# KiCad board TX75v2 PCB replacement.kicad_pcb (continued)
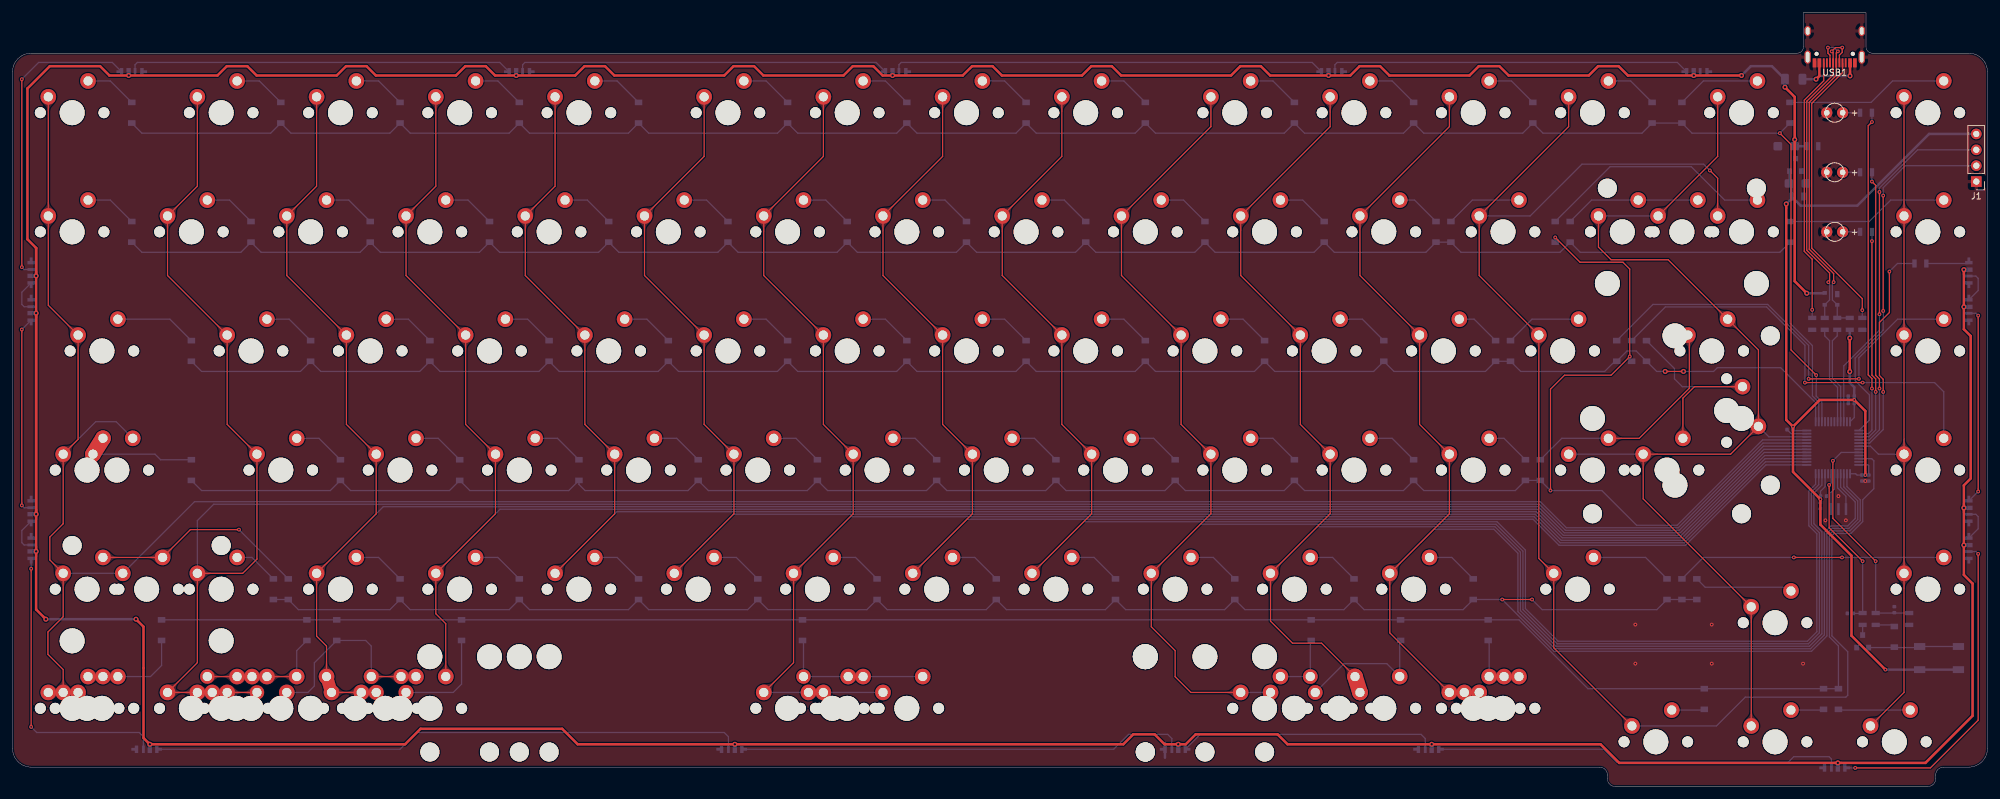
[diagram p0: board, top side]
## Copper pours and planes (outline as drawn; the poured copper is in the pictures) (continued)
C9 on Bottom: 198.71,15.14 198.6,15.14 198.5,15.15 198.41,15.16 198.32,15.17 198.24,15.19 198.17,15.21 198.09,15.23 198.03,15.25 197.97,15.28 197.91,15.31 197.85,15.34 197.8,15.38 197.75,15.42 197.7,15.45 197.31,15.8 197.25,15.85 197.2,15.9 197.13,15.94 197.07,15.99 197,16.03 196.92,16.08 196.85,16.12 196.76,16.17 195.59,15.04 196.76,13.92 196.85,13.96 196.92,14 197,14.05 197.07,14.09 197.13,14.14 197.2,14.19 197.25,14.23 197.31,14.28 197.7,14.63 197.75,14.67 197.8,14.7 197.85,14.74 197.91,14.77 197.97,14.8 198.03,14.83 198.09,14.85 198.17,14.88 198.24,14.9 198.32,14.91 198.41,14.92 198.5,14.93 198.6,14.94 198.71,14.94
C9 on Bottom: 198.58,14.94 198.68,14.94 198.77,14.93 198.86,14.92 198.95,14.91 199.02,14.89 199.09,14.87 199.16,14.85 199.23,14.83 199.28,14.8 199.34,14.77 199.39,14.73 199.44,14.7 199.49,14.66 199.54,14.62 199.91,14.27 199.96,14.23 200.02,14.18 200.07,14.14 200.14,14.09 200.2,14.05 200.27,14 200.35,13.96 200.43,13.92 201.6,15.04 200.43,16.17 200.35,16.12 200.27,16.08 200.2,16.04 200.14,15.99 200.07,15.95 200.02,15.9 199.96,15.86 199.91,15.81 199.54,15.46 199.49,15.42 199.44,15.38 199.39,15.35 199.34,15.32 199.28,15.29 199.23,15.26 199.16,15.23 199.09,15.21 199.02,15.19 198.95,15.17 198.86,15.16 198.77,15.15 198.68,15.14 198.58,15.14
C10 on Top: 201.08,31.6 201.08,31.71 201.09,31.81 201.09,31.9 201.11,31.99 201.12,32.07 201.14,32.14 201.17,32.21 201.19,32.28 201.22,32.34 201.25,32.4 201.28,32.45 201.32,32.51 201.35,32.56 201.39,32.61 201.74,33 201.79,33.05 201.83,33.11 201.88,33.17 201.92,33.24 201.97,33.31 202.02,33.38 202.06,33.46 202.1,33.55 200.98,34.72 199.85,33.55 199.9,33.46 199.94,33.38 199.98,33.31 200.03,33.24 200.08,33.17 200.12,33.11 200.17,33.05 200.22,33 200.56,32.61 200.6,32.56 200.64,32.51 200.67,32.45 200.71,32.4 200.74,32.34 200.76,32.28 200.79,32.21 200.81,32.14 200.83,32.07 200.85,31.99 200.86,31.9 200.87,31.81 200.88,31.71 200.88,31.6
C10 on Top: 212.64,19.27 212.71,19.2 212.78,19.12 212.84,19.05 212.89,18.98 212.94,18.91 212.98,18.84 213.01,18.78 213.04,18.71 213.06,18.65 213.08,18.59 213.1,18.53 213.11,18.46 213.12,18.4 213.13,18.34 213.16,17.82 213.17,17.74 213.17,17.67 213.18,17.59 213.2,17.52 213.22,17.43 213.24,17.35 213.26,17.26 213.29,17.17 214.91,17.14 214.88,18.76 214.79,18.79 214.7,18.82 214.62,18.84 214.54,18.85 214.46,18.87 214.38,18.88 214.31,18.89 214.24,18.89 213.71,18.92 213.65,18.93 213.59,18.94 213.53,18.95 213.47,18.97 213.4,18.99 213.34,19.01 213.27,19.04 213.21,19.08 213.14,19.12 213.07,19.16 213,19.21 212.93,19.27 212.86,19.34 212.78,19.41
C10 on Top: 210.6,50.65 210.6,50.76 210.61,50.86 210.62,50.95 210.63,51.04 210.65,51.12 210.67,51.19 210.69,51.26 210.72,51.33 210.74,51.39 210.77,51.45 210.81,51.5 210.84,51.56 210.88,51.61 210.92,51.66 211.26,52.05 211.31,52.1 211.36,52.16 211.4,52.22 211.45,52.29 211.5,52.36 211.54,52.43 211.58,52.51 211.63,52.6 210.5,53.77 209.38,52.6 209.42,52.51 209.46,52.43 209.51,52.36 209.56,52.29 209.6,52.22 209.65,52.16 209.69,52.1 209.74,52.05 210.09,51.66 210.13,51.61 210.16,51.56 210.2,51.5 210.23,51.45 210.26,51.39 210.29,51.33 210.31,51.26 210.34,51.19 210.36,51.12 210.37,51.04 210.39,50.95 210.39,50.86 210.4,50.76 210.4,50.65
C10 on Top: 202.67,35.92 202.59,35.85 202.52,35.78 202.44,35.72 202.37,35.67 202.31,35.63 202.24,35.59 202.17,35.55 202.11,35.52 202.05,35.5 201.98,35.48 201.92,35.46 201.86,35.45 201.8,35.44 201.74,35.43 201.21,35.4 201.14,35.4 201.07,35.39 200.99,35.38 200.91,35.36 200.83,35.35 200.75,35.33 200.66,35.3 200.57,35.27 200.54,33.65 202.16,33.68 202.19,33.77 202.21,33.86 202.23,33.94 202.25,34.03 202.26,34.1 202.27,34.18 202.28,34.25 202.29,34.33 202.32,34.85 202.33,34.91 202.34,34.97 202.35,35.04 202.37,35.1 202.39,35.16 202.41,35.22 202.44,35.29 202.47,35.35 202.51,35.42 202.56,35.49 202.61,35.56 202.67,35.63 202.74,35.71 202.81,35.78
C10 on Top: 205.84,69.7 205.84,69.81 205.85,69.91 205.86,70 205.87,70.09 205.89,70.17 205.91,70.24 205.93,70.31 205.95,70.38 205.98,70.44 206.01,70.5 206.04,70.55 206.08,70.61 206.11,70.66 206.15,70.71 206.5,71.1 206.55,71.15 206.59,71.21 206.64,71.27 206.69,71.34 206.73,71.41 206.78,71.48 206.82,71.56 206.87,71.65 205.74,72.82 204.62,71.65 204.66,71.56 204.7,71.48 204.75,71.41 204.79,71.34 204.84,71.27 204.89,71.21 204.93,71.15 204.98,71.1 205.33,70.71 205.37,70.66 205.4,70.61 205.44,70.55 205.47,70.5 205.5,70.44 205.53,70.38 205.55,70.31 205.57,70.24 205.59,70.17 205.61,70.09 205.62,70 205.63,69.91 205.64,69.81 205.64,69.7
C10 on Top: 208.67,54.83 208.74,54.76 208.81,54.68 208.87,54.61 208.92,54.54 208.97,54.47 209.01,54.4 209.04,54.34 209.07,54.27 209.09,54.21 209.11,54.15 209.13,54.09 209.14,54.02 209.15,53.96 209.16,53.9 209.19,53.38 209.2,53.3 209.21,53.23 209.22,53.15 209.23,53.08 209.25,52.99 209.27,52.91 209.29,52.82 209.32,52.73 210.94,52.7 210.91,54.32 210.82,54.35 210.73,54.38 210.65,54.4 210.57,54.41 210.49,54.43 210.41,54.44 210.34,54.45 210.27,54.45 209.74,54.48 209.68,54.49 209.62,54.5 209.56,54.51 209.5,54.53 209.43,54.55 209.37,54.57 209.31,54.6 209.24,54.64 209.17,54.68 209.11,54.72 209.04,54.77 208.96,54.83 208.89,54.9 208.81,54.97
C10 on Top: 196.31,88.75 196.32,88.86 196.32,88.96 196.33,89.05 196.35,89.14 196.36,89.22 196.38,89.29 196.4,89.36 196.43,89.43 196.46,89.49 196.49,89.55 196.52,89.6 196.55,89.66 196.59,89.71 196.63,89.76 196.98,90.15 197.02,90.2 197.07,90.26 197.12,90.32 197.16,90.39 197.21,90.46 197.25,90.53 197.3,90.61 197.34,90.7 196.22,91.87 195.09,90.7 195.13,90.61 195.18,90.53 195.22,90.46 195.27,90.39 195.31,90.32 195.36,90.26 195.41,90.2 195.45,90.15 195.8,89.76 195.84,89.71 195.88,89.66 195.91,89.6 195.94,89.55 195.97,89.49 196,89.43 196.03,89.36 196.05,89.29 196.07,89.22 196.08,89.14 196.1,89.05 196.11,88.96 196.11,88.86 196.12,88.75
C10 on Top: 203.91,73.88 203.98,73.81 204.05,73.73 204.11,73.66 204.16,73.59 204.2,73.52 204.24,73.45 204.28,73.39 204.31,73.32 204.33,73.26 204.35,73.2 204.37,73.14 204.38,73.07 204.39,73.01 204.4,72.95 204.43,72.43 204.43,72.35 204.44,72.28 204.45,72.2 204.47,72.13 204.48,72.04 204.5,71.96 204.53,71.87 204.56,71.78 206.18,71.75 206.15,73.37 206.06,73.4 205.97,73.43 205.89,73.45 205.81,73.46 205.73,73.48 205.65,73.49 205.58,73.5 205.51,73.5 204.98,73.53 204.92,73.54 204.86,73.55 204.8,73.56 204.73,73.58 204.67,73.6 204.61,73.62 204.54,73.65 204.48,73.69 204.41,73.73 204.34,73.77 204.27,73.82 204.2,73.88 204.13,73.95 204.05,74.02
C10 on Top: 197.9,93.07 197.83,93 197.75,92.93 197.68,92.87 197.61,92.82 197.54,92.78 197.48,92.74 197.41,92.7 197.35,92.67 197.28,92.65 197.22,92.63 197.16,92.61 197.1,92.6 197.03,92.59 196.97,92.58 196.45,92.55 196.38,92.55 196.3,92.54 196.23,92.53 196.15,92.51 196.07,92.5 195.98,92.48 195.9,92.45 195.8,92.42 195.77,90.8 197.4,90.83 197.43,90.92 197.45,91.01 197.47,91.09 197.49,91.18 197.5,91.25 197.51,91.33 197.52,91.4 197.53,91.48 197.56,92 197.56,92.06 197.57,92.12 197.59,92.19 197.6,92.25 197.62,92.31 197.65,92.37 197.68,92.44 197.71,92.5 197.75,92.57 197.8,92.64 197.85,92.71 197.91,92.78 197.97,92.86 198.05,92.93
C10 on Top: 210.6,107.8 210.6,107.91 210.61,108.01 210.62,108.1 210.63,108.19 210.65,108.27 210.67,108.34 210.69,108.41 210.72,108.48 210.74,108.54 210.77,108.6 210.81,108.65 210.84,108.71 210.88,108.76 210.92,108.81 211.26,109.2 211.31,109.25 211.36,109.31 211.4,109.37 211.45,109.44 211.5,109.51 211.54,109.58 211.58,109.66 211.63,109.75 210.5,110.92 209.38,109.75 209.42,109.66 209.46,109.58 209.51,109.51 209.56,109.44 209.6,109.37 209.65,109.31 209.69,109.25 209.74,109.2 210.09,108.81 210.13,108.76 210.16,108.71 210.2,108.65 210.23,108.6 210.26,108.54 210.29,108.48 210.31,108.41 210.34,108.34 210.36,108.27 210.37,108.19 210.39,108.1 210.39,108.01 210.4,107.91 210.4,107.8
C10 on Bottom: 202.67,35.92 202.59,35.85 202.52,35.78 202.44,35.72 202.37,35.67 202.31,35.63 202.24,35.59 202.17,35.55 202.11,35.52 202.05,35.5 201.98,35.48 201.92,35.46 201.86,35.45 201.8,35.44 201.74,35.43 201.21,35.4 201.14,35.4 201.07,35.39 200.99,35.38 200.91,35.36 200.83,35.35 200.75,35.33 200.66,35.3 200.57,35.27 200.54,33.65 202.16,33.68 202.19,33.77 202.21,33.86 202.23,33.94 202.25,34.03 202.26,34.1 202.27,34.18 202.28,34.25 202.29,34.33 202.32,34.85 202.33,34.91 202.34,34.97 202.35,35.04 202.37,35.1 202.39,35.16 202.41,35.22 202.44,35.29 202.47,35.35 202.51,35.42 202.56,35.49 202.61,35.56 202.67,35.63 202.74,35.71 202.81,35.78
C11 on Top: 231.83,14.84 231.93,14.84 232.03,14.84 232.12,14.83 232.2,14.82 232.28,14.8 232.36,14.79 232.43,14.77 232.5,14.74 232.56,14.72 232.62,14.69 232.67,14.67 232.73,14.64 232.78,14.6 232.83,14.57 233.34,14.17 233.4,14.13 233.47,14.09 233.54,14.04 233.61,14 233.69,13.96 233.77,13.92 234.94,15.04 233.77,16.17 233.69,16.13 233.61,16.08 233.54,16.04 233.47,16 233.4,15.95 233.34,15.91 232.83,15.51 232.78,15.48 232.73,15.45 232.67,15.42 232.62,15.39 232.56,15.36 232.5,15.34 232.43,15.32 232.36,15.3 232.28,15.28 232.2,15.27 232.12,15.26 232.03,15.25 231.93,15.24 231.83,15.24
C11 on Top: 232.04,15.24 231.94,15.24 231.84,15.25 231.75,15.26 231.66,15.27 231.58,15.28 231.51,15.3 231.44,15.32 231.37,15.34 231.31,15.36 231.25,15.39 231.19,15.42 231.14,15.45 231.09,15.48 231.04,15.51 230.52,15.91 230.46,15.95 230.4,16 230.33,16.04 230.26,16.08 230.18,16.13 230.1,16.17 228.93,15.04 230.1,13.92 230.18,13.96 230.26,14 230.33,14.04 230.4,14.09 230.46,14.13 230.52,14.17 231.04,14.57 231.09,14.6 231.14,14.64 231.19,14.67 231.25,14.69 231.31,14.72 231.37,14.74 231.44,14.77 231.51,14.79 231.58,14.8 231.66,14.82 231.75,14.83 231.84,14.84 231.94,14.84 232.04,14.84
C11 on Top: 220.13,31.6 220.13,31.71 220.14,31.81 220.14,31.9 220.16,31.99 220.17,32.07 220.19,32.14 220.22,32.21 220.24,32.28 220.27,32.34 220.3,32.4 220.33,32.45 220.37,32.51 220.4,32.56 220.44,32.61 220.79,33 220.84,33.05 220.88,33.11 220.93,33.17 220.97,33.24 221.02,33.31 221.07,33.38 221.11,33.46 221.15,33.55 220.03,34.72 218.9,33.55 218.95,33.46 218.99,33.38 219.03,33.31 219.08,33.24 219.13,33.17 219.17,33.11 219.22,33.05 219.27,33 219.61,32.61 219.65,32.56 219.69,32.51 219.72,32.45 219.76,32.4 219.79,32.34 219.81,32.28 219.84,32.21 219.86,32.14 219.88,32.07 219.9,31.99 219.91,31.9 219.92,31.81 219.93,31.71 219.93,31.6
C11 on Top: 227.72,16.73 227.79,16.66 227.86,16.58 227.92,16.51 227.97,16.44 228.02,16.37 228.06,16.3 228.09,16.24 228.12,16.17 228.14,16.11 228.16,16.05 228.18,15.99 228.19,15.92 228.2,15.86 228.21,15.8 228.24,15.28 228.25,15.2 228.26,15.13 228.27,15.05 228.28,14.98 228.3,14.89 228.32,14.81 228.34,14.72 228.37,14.63 229.99,14.6 229.96,16.22 229.87,16.25 229.78,16.28 229.7,16.3 229.62,16.31 229.54,16.33 229.46,16.34 229.39,16.35 229.32,16.35 228.79,16.38 228.73,16.39 228.67,16.4 228.61,16.41 228.55,16.43 228.48,16.45 228.42,16.47 228.36,16.5 228.29,16.54 228.22,16.58 228.16,16.62 228.09,16.67 228.01,16.73 227.94,16.8 227.86,16.87
C11 on Top: 229.65,50.65 229.65,50.76 229.66,50.86 229.67,50.95 229.68,51.04 229.7,51.12 229.72,51.19 229.74,51.26 229.77,51.33 229.79,51.39 229.82,51.45 229.86,51.5 229.89,51.56 229.93,51.61 229.97,51.66 230.31,52.05 230.36,52.1 230.41,52.16 230.45,52.22 230.5,52.29 230.55,52.36 230.59,52.43 230.63,52.51 230.68,52.6 229.55,53.77 228.43,52.6 228.47,52.51 228.51,52.43 228.56,52.36 228.61,52.29 228.65,52.22 228.7,52.16 228.74,52.1 228.79,52.05 229.14,51.66 229.18,51.61 229.21,51.56 229.25,51.5 229.28,51.45 229.31,51.39 229.34,51.33 229.36,51.26 229.39,51.19 229.41,51.12 229.42,51.04 229.44,50.95 229.44,50.86 229.45,50.76 229.45,50.65
C11 on Top: 221.72,35.92 221.64,35.85 221.57,35.78 221.49,35.72 221.42,35.67 221.36,35.63 221.29,35.59 221.22,35.55 221.16,35.52 221.1,35.5 221.03,35.48 220.97,35.46 220.91,35.45 220.85,35.44 220.79,35.43 220.26,35.4 220.19,35.4 220.12,35.39 220.04,35.38 219.96,35.36 219.88,35.35 219.8,35.33 219.71,35.3 219.62,35.27 219.59,33.65 221.21,33.68 221.24,33.77 221.26,33.86 221.28,33.94 221.3,34.03 221.31,34.1 221.32,34.18 221.33,34.25 221.34,34.33 221.37,34.85 221.38,34.91 221.39,34.97 221.4,35.04 221.42,35.1 221.44,35.16 221.46,35.22 221.49,35.29 221.52,35.35 221.56,35.42 221.61,35.49 221.66,35.56 221.72,35.63 221.79,35.71 221.86,35.78
C11 on Top: 224.89,69.7 224.89,69.81 224.9,69.91 224.91,70 224.92,70.09 224.94,70.17 224.96,70.24 224.98,70.31 225,70.38 225.03,70.44 225.06,70.5 225.09,70.55 225.13,70.61 225.16,70.66 225.2,70.71 225.55,71.1 225.6,71.15 225.64,71.21 225.69,71.27 225.74,71.34 225.78,71.41 225.83,71.48 225.87,71.56 225.91,71.65 224.79,72.82 223.66,71.65 223.71,71.56 223.75,71.48 223.8,71.41 223.84,71.34 223.89,71.27 223.94,71.21 223.98,71.15 224.03,71.1 224.38,70.71 224.42,70.66 224.45,70.61 224.49,70.55 224.52,70.5 224.55,70.44 224.58,70.38 224.6,70.31 224.62,70.24 224.64,70.17 224.66,70.09 224.67,70 224.68,69.91 224.69,69.81 224.69,69.7
C11 on Top: 227.72,54.83 227.79,54.76 227.86,54.68 227.92,54.61 227.97,54.54 228.02,54.47 228.06,54.4 228.09,54.34 228.12,54.27 228.14,54.21 228.16,54.15 228.18,54.09 228.19,54.02 228.2,53.96 228.21,53.9 228.24,53.38 228.25,53.3 228.26,53.23 228.27,53.15 228.28,53.08 228.3,52.99 228.32,52.91 228.34,52.82 228.37,52.73 229.99,52.7 229.96,54.32 229.87,54.35 229.78,54.38 229.7,54.4 229.62,54.41 229.54,54.43 229.46,54.44 229.39,54.45 229.32,54.45 228.79,54.48 228.73,54.49 228.67,54.5 228.61,54.51 228.55,54.53 228.48,54.55 228.42,54.57 228.36,54.6 228.29,54.64 228.22,54.68 228.16,54.72 228.09,54.77 228.01,54.83 227.94,54.9 227.86,54.97
C11 on Top: 215.37,88.75 215.37,88.86 215.37,88.96 215.38,89.05 215.4,89.14 215.41,89.22 215.43,89.29 215.45,89.36 215.48,89.43 215.51,89.49 215.54,89.55 215.57,89.6 215.6,89.66 215.64,89.71 215.68,89.76 216.03,90.15 216.07,90.2 216.12,90.26 216.17,90.32 216.21,90.39 216.26,90.46 216.3,90.53 216.35,90.61 216.39,90.7 215.27,91.87 214.14,90.7 214.18,90.61 214.23,90.53 214.27,90.46 214.32,90.39 214.36,90.32 214.41,90.26 214.46,90.2 214.5,90.15 214.85,89.76 214.89,89.71 214.93,89.66 214.96,89.6 214.99,89.55 215.02,89.49 215.05,89.43 215.08,89.36 215.1,89.29 215.12,89.22 215.13,89.14 215.15,89.05 215.16,88.96 215.16,88.86 215.16,88.75
C11 on Top: 222.96,73.88 223.03,73.81 223.1,73.73 223.16,73.66 223.21,73.59 223.25,73.52 223.29,73.45 223.33,73.39 223.36,73.32 223.38,73.26 223.4,73.2 223.42,73.14 223.43,73.07 223.44,73.01 223.45,72.95 223.48,72.43 223.48,72.35 223.49,72.28 223.5,72.2 223.52,72.13 223.53,72.04 223.55,71.96 223.58,71.87 223.61,71.78 225.23,71.75 225.2,73.37 225.11,73.4 225.02,73.43 224.94,73.45 224.86,73.46 224.78,73.48 224.7,73.49 224.63,73.5 224.56,73.5 224.03,73.53 223.97,73.54 223.91,73.55 223.85,73.56 223.78,73.58 223.72,73.6 223.66,73.62 223.59,73.65 223.53,73.69 223.46,73.73 223.39,73.77 223.32,73.82 223.25,73.88 223.18,73.95 223.1,74.02
C11 on Top: 229.65,107.8 229.65,107.91 229.66,108.01 229.67,108.1 229.68,108.19 229.7,108.27 229.72,108.34 229.74,108.41 229.77,108.48 229.79,108.54 229.82,108.6 229.86,108.65 229.89,108.71 229.93,108.76 229.97,108.81 230.31,109.2 230.36,109.25 230.41,109.31 230.45,109.37 230.5,109.44 230.55,109.51 230.59,109.58 230.63,109.66 230.68,109.75 229.55,110.92 228.43,109.75 228.47,109.66 228.51,109.58 228.56,109.51 228.61,109.44 228.65,109.37 228.7,109.31 228.74,109.25 228.79,109.2 229.14,108.81 229.18,108.76 229.21,108.71 229.25,108.65 229.28,108.6 229.31,108.54 229.34,108.48 229.36,108.41 229.39,108.34 229.41,108.27 229.42,108.19 229.44,108.1 229.44,108.01 229.45,107.91 229.45,107.8
C11 on Top: 216.95,93.07 216.88,93 216.8,92.93 216.73,92.87 216.66,92.82 216.59,92.78 216.53,92.74 216.46,92.7 216.4,92.67 216.33,92.65 216.27,92.63 216.21,92.61 216.15,92.6 216.08,92.59 216.02,92.58 215.5,92.55 215.43,92.55 215.35,92.54 215.28,92.53 215.2,92.51 215.12,92.5 215.03,92.48 214.95,92.45 214.85,92.42 214.82,90.8 216.45,90.83 216.48,90.92 216.5,91.01 216.52,91.09 216.54,91.18 216.55,91.25 216.56,91.33 216.57,91.4 216.58,91.48 216.61,92 216.61,92.06 216.62,92.12 216.64,92.19 216.65,92.25 216.67,92.31 216.7,92.37 216.73,92.44 216.76,92.5 216.8,92.57 216.85,92.64 216.9,92.71 216.96,92.78 217.02,92.86 217.1,92.93
C11 on Bottom: 221.72,35.92 221.64,35.85 221.57,35.78 221.49,35.72 221.42,35.67 221.36,35.63 221.29,35.59 221.22,35.55 221.16,35.52 221.1,35.5 221.03,35.48 220.97,35.46 220.91,35.45 220.85,35.44 220.79,35.43 220.26,35.4 220.19,35.4 220.12,35.39 220.04,35.38 219.96,35.36 219.88,35.35 219.8,35.33 219.71,35.3 219.62,35.27 219.59,33.65 221.21,33.68 221.24,33.77 221.26,33.86 221.28,33.94 221.3,34.03 221.31,34.1 221.32,34.18 221.33,34.25 221.34,34.33 221.37,34.85 221.38,34.91 221.39,34.97 221.4,35.04 221.42,35.1 221.44,35.16 221.46,35.22 221.49,35.29 221.52,35.35 221.56,35.42 221.61,35.49 221.66,35.56 221.72,35.63 221.79,35.71 221.86,35.78
C12 on Top: 246.32,31.6 246.32,31.71 246.33,31.81 246.34,31.9 246.35,31.99 246.37,32.07 246.39,32.14 246.41,32.21 246.43,32.28 246.46,32.34 246.49,32.4 246.52,32.45 246.56,32.51 246.6,32.56 246.63,32.61 246.98,33 247.03,33.05 247.08,33.11 247.12,33.17 247.17,33.24 247.21,33.31 247.26,33.38 247.3,33.46 247.35,33.55 246.22,34.72 245.1,33.55 245.14,33.46 245.18,33.38 245.23,33.31 245.27,33.24 245.32,33.17 245.37,33.11 245.41,33.05 245.46,33 245.81,32.61 245.85,32.56 245.88,32.51 245.92,32.45 245.95,32.4 245.98,32.34 246.01,32.28 246.03,32.21 246.06,32.14 246.07,32.07 246.09,31.99 246.1,31.9 246.11,31.81 246.12,31.71 246.12,31.6
C12 on Top: 256.89,11.37 256.97,11.3 257.03,11.22 257.09,11.15 257.14,11.08 257.19,11.01 257.23,10.95 257.26,10.88 257.29,10.82 257.31,10.75 257.33,10.69 257.35,10.63 257.36,10.57 257.37,10.5 257.38,10.44 257.41,9.92 257.42,9.85 257.43,9.77 257.44,9.7 257.45,9.62 257.47,9.54 257.49,9.45 257.51,9.36 257.54,9.27 259.16,9.24 259.13,10.86 259.04,10.89 258.95,10.92 258.87,10.94 258.79,10.96 258.71,10.97 258.63,10.98 258.56,10.99 258.49,11 257.97,11.02 257.9,11.03 257.84,11.04 257.78,11.06 257.72,11.07 257.65,11.09 257.59,11.12 257.53,11.15 257.46,11.18 257.39,11.22 257.33,11.26 257.26,11.32 257.18,11.38 257.11,11.44 257.03,11.52
C12 on Top: 272.31,93.73 272.31,93.63 272.31,93.53 272.3,93.43 272.28,93.35 272.27,93.27 272.25,93.19 272.23,93.12 272.2,93.06 272.17,92.99 272.14,92.93 272.11,92.88 272.08,92.83 272.04,92.78 272,92.73 271.65,92.34 271.61,92.28 271.56,92.22 271.51,92.16 271.47,92.1 271.42,92.03 271.38,91.95 271.33,91.87 271.29,91.79 272.41,90.62 273.54,91.79 273.5,91.87 273.45,91.95 273.41,92.03 273.36,92.1 273.32,92.16 273.27,92.22 273.22,92.28 273.18,92.34 272.83,92.73 272.79,92.78 272.75,92.83 272.72,92.88 272.69,92.93 272.66,92.99 272.63,93.06 272.6,93.12 272.58,93.19 272.56,93.27 272.55,93.35 272.53,93.43 272.52,93.53 272.52,93.63 272.51,93.73
C12 on Top: 243.94,69.7 243.94,69.81 243.95,69.91 243.96,70 243.97,70.09 243.99,70.17 244.01,70.24 244.03,70.31 244.05,70.38 244.08,70.44 244.11,70.5 244.14,70.55 244.18,70.61 244.21,70.66 244.25,70.71 244.6,71.1 244.65,71.15 244.69,71.21 244.74,71.27 244.79,71.34 244.83,71.41 244.88,71.48 244.92,71.56 244.97,71.65 243.84,72.82 242.72,71.65 242.76,71.56 242.8,71.48 242.85,71.41 242.89,71.34 242.94,71.27 242.99,71.21 243.03,71.15 243.08,71.1 243.43,70.71 243.47,70.66 243.5,70.61 243.54,70.55 243.57,70.5 243.6,70.44 243.63,70.38 243.65,70.31 243.67,70.24 243.69,70.17 243.71,70.09 243.72,70 243.73,69.91 243.74,69.81 243.74,69.7
C12 on Top: 244.39,35.78 244.46,35.71 244.53,35.63 244.59,35.56 244.64,35.49 244.69,35.42 244.73,35.35 244.76,35.29 244.79,35.22 244.81,35.16 244.83,35.1 244.85,35.04 244.86,34.97 244.87,34.91 244.88,34.85 244.91,34.33 244.92,34.25 244.92,34.18 244.93,34.1 244.95,34.03 244.97,33.94 244.99,33.86 245.01,33.77 245.04,33.68 246.66,33.65 246.63,35.27 246.54,35.3 246.45,35.33 246.37,35.35 246.29,35.36 246.21,35.38 246.13,35.39 246.06,35.4 245.99,35.4 245.46,35.43 245.4,35.44 245.34,35.45 245.28,35.46 245.22,35.48 245.15,35.5 245.09,35.52 245.02,35.55 244.96,35.59 244.89,35.63 244.82,35.67 244.75,35.72 244.68,35.78 244.61,35.85 244.53,35.92
C12 on Top: 234.41,88.75 234.42,88.86 234.42,88.96 234.43,89.05 234.45,89.14 234.46,89.22 234.48,89.29 234.5,89.36 234.53,89.43 234.56,89.49 234.59,89.55 234.62,89.6 234.65,89.66 234.69,89.71 234.73,89.76 235.08,90.15 235.12,90.2 235.17,90.26 235.22,90.32 235.26,90.39 235.31,90.46 235.35,90.53 235.4,90.61 235.44,90.7 234.31,91.87 233.19,90.7 233.23,90.61 233.28,90.53 233.32,90.46 233.37,90.39 233.41,90.32 233.46,90.26 233.51,90.2 233.55,90.15 233.9,89.76 233.94,89.71 233.98,89.66 234.01,89.6 234.04,89.55 234.07,89.49 234.1,89.43 234.13,89.36 234.15,89.29 234.17,89.22 234.18,89.14 234.2,89.05 234.21,88.96 234.21,88.86 234.22,88.75
C12 on Top: 242.01,73.88 242.08,73.81 242.15,73.73 242.21,73.66 242.26,73.59 242.3,73.52 242.34,73.45 242.38,73.39 242.41,73.32 242.43,73.26 242.45,73.2 242.47,73.14 242.48,73.07 242.49,73.01 242.5,72.95 242.53,72.43 242.53,72.35 242.54,72.28 242.55,72.2 242.57,72.13 242.58,72.04 242.6,71.96 242.63,71.87 242.66,71.78 244.28,71.75 244.25,73.37 244.16,73.4 244.07,73.43 243.99,73.45 243.91,73.46 243.83,73.48 243.75,73.49 243.68,73.5 243.61,73.5 243.08,73.53 243.02,73.54 242.96,73.55 242.9,73.56 242.83,73.58 242.77,73.6 242.71,73.62 242.64,73.65 242.58,73.69 242.51,73.73 242.44,73.77 242.37,73.82 242.3,73.88 242.23,73.95 242.15,74.02
C12 on Top: 236,93.07 235.93,93 235.85,92.93 235.78,92.87 235.71,92.82 235.64,92.78 235.58,92.74 235.51,92.7 235.45,92.67 235.38,92.65 235.32,92.63 235.26,92.61 235.2,92.6 235.13,92.59 235.07,92.58 234.55,92.55 234.48,92.55 234.4,92.54 234.33,92.53 234.25,92.51 234.17,92.5 234.08,92.48 234,92.45 233.9,92.42 233.87,90.8 235.5,90.83 235.53,90.92 235.55,91.01 235.57,91.09 235.59,91.18 235.6,91.25 235.61,91.33 235.62,91.4 235.63,91.48 235.66,92 235.66,92.06 235.67,92.12 235.69,92.19 235.7,92.25 235.72,92.31 235.75,92.37 235.78,92.44 235.81,92.5 235.85,92.57 235.9,92.64 235.95,92.71 236.01,92.78 236.07,92.86 236.15,92.93
C12 on Top: 248.7,107.8 248.7,107.91 248.71,108.01 248.72,108.1 248.73,108.19 248.75,108.27 248.77,108.34 248.79,108.41 248.82,108.48 248.84,108.54 248.87,108.6 248.91,108.65 248.94,108.71 248.98,108.76 249.02,108.81 249.36,109.2 249.41,109.25 249.46,109.31 249.5,109.37 249.55,109.44 249.6,109.51 249.64,109.58 249.68,109.66 249.73,109.75 248.6,110.92 247.48,109.75 247.52,109.66 247.56,109.58 247.61,109.51 247.66,109.44 247.7,109.37 247.75,109.31 247.79,109.25 247.84,109.2 248.19,108.81 248.23,108.76 248.26,108.71 248.3,108.65 248.33,108.6 248.36,108.54 248.39,108.48 248.41,108.41 248.44,108.34 248.46,108.27 248.47,108.19 248.49,108.1 248.49,108.01 248.5,107.91 248.5,107.8
C12 on Bottom: 261.21,9.78 261.11,9.79 261.01,9.79 260.92,9.8 260.83,9.81 260.75,9.83 260.67,9.85 260.6,9.87 260.54,9.9 260.47,9.92 260.42,9.95 260.36,9.99 260.31,10.02 260.26,10.06 260.21,10.1 259.82,10.45 259.76,10.49 259.7,10.54 259.64,10.58 259.58,10.63 259.51,10.68 259.43,10.72 259.35,10.77 259.27,10.81 258.1,9.68 259.27,8.56 259.35,8.6 259.43,8.65 259.51,8.69 259.58,8.74 259.64,8.78 259.7,8.83 259.76,8.88 259.82,8.92 260.21,9.27 260.26,9.31 260.31,9.35 260.36,9.38 260.42,9.41 260.47,9.44 260.54,9.47 260.6,9.5 260.67,9.52 260.75,9.54 260.83,9.55 260.92,9.57 261.01,9.58 261.11,9.58 261.21,9.58
C12 on Bottom: 236.81,91.34 236.7,91.34 236.6,91.35 236.51,91.36 236.42,91.37 236.34,91.39 236.27,91.41 236.19,91.43 236.13,91.45 236.07,91.48 236.01,91.51 235.95,91.54 235.9,91.58 235.85,91.62 235.8,91.65 235.41,92 235.35,92.05 235.3,92.1 235.23,92.14 235.17,92.19 235.1,92.23 235.02,92.28 234.95,92.32 234.86,92.37 233.69,91.24 234.86,90.12 234.95,90.16 235.02,90.2 235.1,90.25 235.17,90.29 235.23,90.34 235.3,90.39 235.35,90.43 235.41,90.48 235.8,90.83 235.85,90.87 235.9,90.9 235.95,90.94 236.01,90.97 236.07,91 236.13,91.03 236.19,91.05 236.27,91.08 236.34,91.1 236.42,91.11 236.51,91.12 236.6,91.13 236.7,91.14 236.81,91.14
C13 on Top: 260.61,50.65 260.61,50.76 260.62,50.86 260.63,50.95 260.64,51.04 260.66,51.12 260.67,51.19 260.7,51.26 260.72,51.33 260.75,51.39 260.78,51.45 260.81,51.5 260.85,51.56 260.88,51.61 260.92,51.66 261.27,52.05 261.32,52.1 261.36,52.16 261.41,52.22 261.46,52.29 261.5,52.36 261.55,52.43 261.59,52.51 261.63,52.6 260.51,53.77 259.38,52.6 259.43,52.51 259.47,52.43 259.52,52.36 259.56,52.29 259.61,52.22 259.65,52.16 259.7,52.1 259.75,52.05 260.1,51.66 260.13,51.61 260.17,51.56 260.21,51.5 260.24,51.45 260.27,51.39 260.3,51.33 260.32,51.26 260.34,51.19 260.36,51.12 260.38,51.04 260.39,50.95 260.4,50.86 260.41,50.76 260.41,50.65
C13 on Top: 275.94,30.42 276.02,30.35 276.08,30.27 276.14,30.2 276.19,30.13 276.24,30.06 276.28,30 276.31,29.93 276.34,29.87 276.36,29.8 276.38,29.74 276.4,29.68 276.41,29.62 276.42,29.55 276.43,29.49 276.46,28.97 276.47,28.9 276.48,28.82 276.49,28.75 276.5,28.67 276.52,28.59 276.54,28.5 276.56,28.41 276.59,28.32 278.21,28.29 278.18,29.91 278.09,29.94 278,29.97 277.92,29.99 277.84,30.01 277.76,30.02 277.68,30.03 277.61,30.04 277.54,30.05 277.02,30.07 276.95,30.08 276.89,30.09 276.83,30.11 276.77,30.12 276.7,30.14 276.64,30.17 276.58,30.2 276.51,30.23 276.44,30.27 276.38,30.31 276.31,30.37 276.23,30.43 276.16,30.49 276.08,30.57
